# Altium PCB MOTHER_BOARD_LS1021_v1.0.PcbDoc (part 6 of 15)
Units mm, origin at the board's own origin, x right, y up, seen from the top; angles counter-clockwise.
Board outline 285 x 90.6 mm, 10 copper layers (TOP, GND1, SIGNAL1, GND+PWR1, POWER1, POWER2, GND+PWR2, SIGNAL2, GND2, BOTTOM), stack 1.739 mm thick; 1099 components, 832 nets, 4657 pads, 2737 vias.
Unrouted connection lines stored in the file: 7.
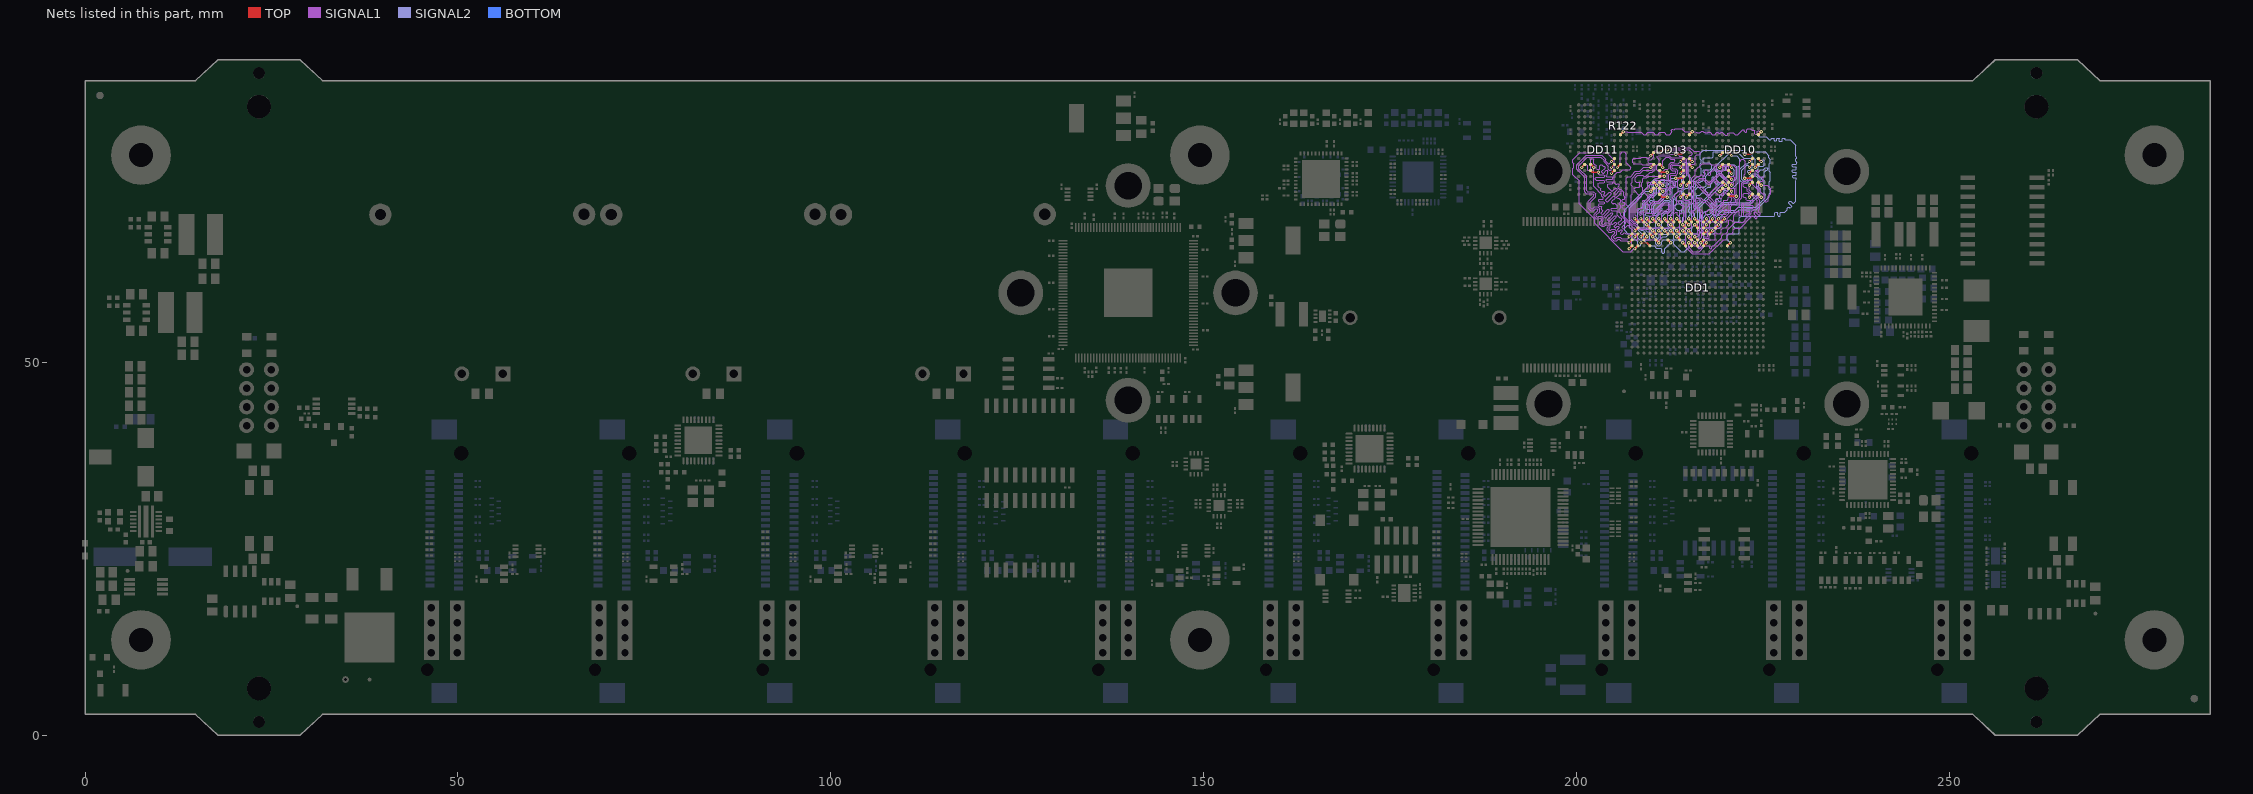
[diagram p14: the nets of this part, all layers, seen from the top]

## Via types
v1: diameter 0.45, hole 0.2, TOP to BOTTOM, tented both sides, 1587 vias
v2: diameter 0.7, hole 0.3, TOP to BOTTOM, tented both sides, 1134 vias
v3: diameter 0.45, hole 0.2, TOP to BOTTOM, tented bottom, 16 vias

## Nets (pads, with @x,y where several pads share a name; then routed paths per layer and width w, separated by ;. In a path a pad name is that pad's centre, name@x,y a point inside that pad or via, vN(x,y) a via of type N, cw(c..) or ccw(c..) an arc to the next point about the centre after c; other vN are vias at no path point) (continued)
DDR_CS: DD1.U19 DD10.L2 DD11.L2 DD13.L2 R122.1 | length 60.8
  TOP w0.196: DD11.L2@205.9,80.55 v1(206.3,80.95) ; DD13.L2@215.15,80.55 v1(215.55,80.95) ; DD1.U19@220.25,65.65 v1(220.65,66.05) ; DD10.L2@224.4,80.55 v1(224.8,80.95)
  SIGNAL1 w0.113: v1(206.3,80.95) 206.307,80.942 206.782,80.942 206.875,80.85 208.71,80.85 208.992,80.568 209.308,80.568 209.589,80.85 210.31,80.85 210.592,80.568 210.908,80.568 211.189,80.85 211.76,80.85 212.042,80.568 212.493,80.568 212.811,80.886 212.811,80.975 212.713,81.073 212.713,81.162 212.846,81.294 212.934,81.294 213.033,81.196 213.121,81.196 213.256,81.331 214.118,81.331 214.5,80.95 v1(215.55,80.95) 215.95,80.95 216.05,80.85 216.15,80.85 216.218,80.781 216.506,80.781 216.575,80.85 216.7,80.85 216.825,80.975 216.95,80.975 217.075,80.85 217.225,80.85 217.293,80.781 217.581,80.781 217.65,80.85 217.96,80.85 218.242,80.568 218.558,80.568 218.839,80.85 218.969,80.85 219.075,80.744 219.3,80.744 219.405,80.85 219.56,80.85 219.935,80.475 220.2,80.475 220.32,80.595 220.32,80.73 220.414,80.825 221,80.825 221.3,80.525 221.6,80.525 222.293,81.218 222.431,81.218 222.525,81.125 222.525,80.975 222.625,80.875 222.75,80.875 222.818,80.943 222.818,81.2 222.993,81.375 223.314,81.375 223.577,81.112 223.863,81.112 223.925,81.05 223.925,80.7 224.025,80.6 224.175,80.6 224.275,80.7 224.275,80.975 224.35,81.05 224.45,81.05 224.55,80.95 v1(224.8,80.95)
  SIGNAL2 w0.113: v1(220.65,66.05) 220.25,66.45 220.25,67.1 220.4,67.25 221.7,67.25 221.85,67.4 221.85,67.9 221.7,68.05 221.25,68.05 221.025,68.275 221.025,68.6 221.275,68.85 221.725,68.85 221.85,68.975 221.85,69.39 222.098,69.638 226.5,69.638 226.625,69.763 226.625,70.05 226.7,70.125 226.9,70.125 227,70.025 227,69.713 227.075,69.638 227.288,69.638 227.35,69.7 227.35,70.075 227.425,70.15 227.95,70.15 228.256,70.456 228.256,70.65 228.41,70.804 228.513,70.804 228.558,70.758 228.594,70.723 228.697,70.723 228.851,70.877 228.851,70.979 228.815,71.015 228.477,71.353 228.477,71.455 228.631,71.609 228.734,71.609 229.02,71.323 229.123,71.323 229.431,71.631 229.431,74.394 229.439,74.401 229.431,74.401 229.504,74.474 229.504,74.692 229.431,74.764 229.048,74.764 228.976,74.837 228.976,75.055 229.048,75.127 229.431,75.127 229.504,75.2 229.504,75.418 229.431,75.49 229.013,75.49 228.94,75.563 228.94,75.781 229.013,75.853 229.431,75.853 229.504,75.926 229.504,76.144 229.431,76.216 229.013,76.216 228.94,76.289 228.94,76.507 229.013,76.579 229.439,76.579 229.512,76.652 229.512,76.87 229.431,76.95 229.431,77.298 229.512,77.378 229.512,77.596 229.431,77.676 229.431,79.143 228.675,79.9 228.01,79.9 227.955,79.954 227.955,80.026 227.901,80.081 227.647,80.081 227.592,80.026 227.592,79.697 227.538,79.642 227.284,79.642 227.229,79.697 227.229,80.026 227.175,80.081 226.921,80.081 226.866,80.026 226.866,79.786 226.812,79.731 226.558,79.731 226.503,79.786 226.503,80.026 226.449,80.081 226.195,80.081 226.14,80.026 226.14,79.954 226.086,79.9 225.85,79.9 225.45,80.3 224.525,80.3 224.4,80.425 224.4,80.55 v1(224.8,80.95)
  BOTTOM w0.196: v1(206.3,80.95) R122.1@206.3,81.425
DDR_DM0: DD1.M23 DD10.E7 | length 19.6
  TOP w0.196: v1(215.85,69.25) DD1.M23@216.25,68.85 ; DD10.E7@220.4,75.75 v1(220.8,75.35)
  SIGNAL2 w0.113: v1(215.85,69.25) 215.85,70 215.675,70.175 215.675,70.313 216.037,70.675 216.037,70.788 215.801,71.024 215.801,71.274 215.901,71.374 216.051,71.374 216.101,71.424 216.349,71.424 216.575,71.65 216.575,71.925 216.475,72.025 216.225,72.025 216.163,72.087 216.163,72.388 216.225,72.45 216.55,72.45 216.837,72.737 217.112,72.737 217.375,72.475 217.449,72.475 217.575,72.601 217.575,72.735 217.368,72.942 217.368,73.268 217.6,73.5 217.95,73.5 218.018,73.568 218.018,73.918 218.2,74.1 218.2,74.825 218.3,74.925 218.425,74.925 218.5,74.85 218.5,74.19 218.765,73.925 218.875,73.925 219,74.05 219,74.21 218.8,74.41 218.8,75.5 218.551,75.749 218.551,75.874 218.627,75.95 218.825,75.95 219.175,75.6 219.175,75.15 219.624,74.701 219.674,74.701 219.825,74.851 219.825,74.925 219.475,75.275 219.475,75.675 219.65,75.85 219.75,75.85 219.85,75.75 219.975,75.75 220.025,75.8 220.025,76.243 220.1,76.318 220.325,76.318 220.418,76.225 220.418,75.581 220.65,75.35 v1(220.8,75.35)
DDR_DM1: DD1.L20 DD10.D3 | length 22.6
  TOP w0.196: v1(215.05,66.85) DD1.L20@215.45,66.45 ; v1(222.55,74.7) 223.35,74.7 DD10.D3@223.6,74.95
  SIGNAL1 w0.113: v1(215.05,66.85) 215.05,66.6 215.468,66.181 215.468,65.892 215.729,65.631 216.008,65.631 216.39,65.25 216.5,65.25 217.05,65.8 217.05,66.487 217.226,66.663 217.738,66.663 217.831,66.756 217.831,67.771 218.129,68.068 218.408,68.068 218.631,68.292 218.631,68.571 218.929,68.868 219.208,68.868 219.431,69.092 219.431,69.371 219.692,69.631 220.081,69.631 220.7,70.25 220.7,70.975 220.906,71.181 221.431,71.181 221.575,71.325 221.575,71.85 221.875,72.15 221.875,76.95 222.15,77.225 222.4,77.225 222.625,77 222.625,75.3 222.495,75.17 222.495,74.755 v1(222.55,74.7)
DDR_DM2: DD1.E23 DD13.E7 | length 19.2
  TOP w0.196: v1(210.25,69.25) DD1.E23@210.65,68.85 ; DD13.E7@211.15,75.75 211.4,75.5 v1(212.2,75.5)
  SIGNAL1 w0.113: v1(210.25,69.25) 210.4,69.1 210.4,68.925 210.306,68.831 209.943,68.831 209.831,68.943 209.831,69.45 210.031,69.65 210.35,69.65 210.45,69.75 210.45,69.875 210.337,69.987 209.487,69.987 209.375,70.1 209.375,70.55 209.625,70.8 209.625,71.175 209.475,71.325 209.475,71.55 209.763,71.838 209.763,72.438 209.85,72.525 210,72.525 210.075,72.45 210.075,72.225 210.125,72.175 210.3,72.175 210.345,72.22 210.345,72.67 210.425,72.75 211.05,72.75 211.15,72.85 211.15,73.15 210.968,73.331 209.943,73.331 209.85,73.425 209.85,73.775 209.95,73.875 210.335,73.875 210.922,74.462 211.262,74.462 211.368,74.568 211.756,74.568 211.85,74.475 211.85,74.3 211.681,74.131 211.356,74.131 211.15,73.925 211.15,73.55 211.35,73.35 212.025,73.35 212.156,73.481 212.156,75.456 v1(212.2,75.5)
DDR_DM3: DD1.E21 DD13.D3 | length 15.9
  TOP w0.196: v1(210.25,67.65) DD1.E21@210.65,67.25 ; v1(213.3,74.7) 214.1,74.7 DD13.D3@214.35,74.95
  SIGNAL2 w0.113: v1(210.25,67.65) 209.831,67.231 209.831,66.631 209.668,66.468 209.292,66.468 209.031,66.729 209.031,67.008 208.25,67.79 208.25,70.334 208.881,70.965 208.881,71.333 210.35,72.801 210.35,73.15 210.15,73.35 210.15,73.991 210.609,74.45 212.5,74.45 212.75,74.7 v1(213.3,74.7)
DDR_DM8: DD1.B21 DD11.E7 | length 26.4
  TOP w0.196: DD11.E7@201.9,75.75 202.15,75.5 v1(202.95,75.5) ; v1(207.85,66.85) DD1.B21@208.25,67.25
  SIGNAL1 w0.113: v1(202.95,75.5) 202.95,75.274 203.041,75.183 203.679,75.183 203.77,75.093 203.77,74.911 203.679,74.82 202.634,74.82 202.543,74.73 202.543,74.548 202.634,74.457 203.679,74.457 203.77,74.367 203.77,74.185 203.679,74.094 203.041,74.094 202.95,74.004 202.95,73.55 203.229,73.271 203.229,73.143 203.229,73.014 203.358,72.886 203.486,72.886 203.55,72.95 203.66,72.95 203.807,72.804 203.807,72.693 203.634,72.521 203.634,72.393 203.763,72.264 203.891,72.264 204.422,72.795 204.55,72.795 204.679,72.667 204.679,72.539 203.928,71.788 203.928,71.66 204.056,71.531 204.185,71.531 204.935,72.282 205.064,72.282 205.192,72.154 205.192,72.025 204.833,71.667 204.739,71.573 204.739,71.444 204.868,71.316 204.996,71.316 205.026,71.346 205.154,71.346 205.475,71.025 205.475,70.773 205.384,70.682 204.753,70.682 204.663,70.592 204.663,70.41 204.753,70.319 205.384,70.319 205.475,70.229 205.475,69.775 205.826,69.424 205.931,69.424 206.082,69.273 206.082,69.168 205.631,68.716 205.631,68.588 205.759,68.459 205.888,68.459 206.339,68.911 206.445,68.911 206.596,68.76 206.596,68.654 206.144,68.203 206.144,68.074 206.273,67.946 206.401,67.946 206.852,68.398 206.958,68.398 207.109,68.246 207.109,68.141 207.468,67.781 207.468,67.492 207.692,67.268 208.081,67.268 208.25,67.1 208.25,66.5 208.2,66.45 207.925,66.45 207.85,66.525 v1(207.85,66.85)
DDR_DQ0: DD1.K23 DD10.E3 | length 19.6
  TOP w0.196: DD1.K23@214.65,68.85 v1(215.05,68.45) ; v1(223.2,75.35) DD10.E3@223.6,75.75
  SIGNAL2 w0.113: v1(215.05,68.45) 215.45,68.85 215.45,71.224 215.95,71.724 215.95,73.15 216.3,73.5 217.15,73.5 217.381,73.731 217.381,74.058 217.325,74.115 217.325,74.949 218.781,76.405 ; 218.781,76.406 220.525,78.15 221.675,78.15 222.45,77.375 223.425,77.375 223.6,77.2 223.6,76.01 223.339,75.75 223.05,75.75 222.95,75.65 222.95,75.5 223.1,75.35 v1(223.2,75.35)
DDR_DQ1: DD1.M22 DD10.F7 | length 19.6
  TOP w0.196: v1(215.85,68.45) DD1.M22@216.25,68.05 ; DD10.F7@220.4,76.55 v1(220.8,76.15)
  SIGNAL2 w0.113: v1(215.85,68.45) 215.45,68.05 215.45,67.45 215.65,67.25 216.2,67.25 216.462,66.988 216.462,66.512 216.25,66.3 216.25,65.55 216.425,65.375 216.925,65.375 217.068,65.518 217.068,66.956 216.25,67.775 216.25,70.975 220.243,74.968 220.964,74.968 220.971,74.975 220.975,74.975 221.181,75.181 221.181,75.768 v1(220.8,76.15)
DDR_DQ2: DD1.R23 DD10.F2 | length 19.6
  TOP w0.196: DD1.R23@218.65,68.85 v1(219.05,69.25) ; v1(224,76.15) DD10.F2@224.4,76.55
  SIGNAL2 w0.113: v1(219.05,69.25) 219.925,70.125 221.475,70.125 221.85,70.5 224.1,70.5 225.825,72.225 225.825,72.635 225.981,72.792 225.981,73.108 225.868,73.221 225.868,74.235 225.981,74.348 225.981,75.508 225.868,75.621 225.868,76.635 225.981,76.748 225.981,77.218 225.775,77.425 225.775,77.75 225.3,78.225 223.725,78.225 223.55,78.05 223.55,77.625 224,77.175 v1(224,76.15)
DDR_DQ3: DD1.T23 DD10.F8 | length 19.6
  TOP w0.196: v1(219.2,76.15) DD10.F8@219.6,76.55 ; DD1.T23@219.45,68.85 v1(219.85,69.25)
  SIGNAL2 w0.113: v1(219.2,76.15) 219.2,76.275 219.456,76.531 221.168,76.531 221.475,76.225 221.475,74.685 220.921,74.131 219.831,74.131 216.525,70.825 216.525,68.035 217.292,67.268 218.408,67.268 218.631,67.492 218.631,67.771 218.892,68.031 219.171,68.031 219.431,68.292 219.431,68.831 v1(219.85,69.25)
DDR_DQ4: DD1.K22 DD10.H3 | length 19.6
  TOP w0.196: v1(214.25,68.45) DD1.K22@214.65,68.05 ; v1(222.55,77.9) 223.35,77.9 DD10.H3@223.6,78.15
  SIGNAL2 w0.113: v1(214.25,68.45) 214.25,69.45 214.425,69.625 214.425,70.35 214.35,70.425 214.35,73.09 214.629,73.368 214.908,73.368 215.131,73.592 215.131,73.871 216.192,74.931 216.471,74.931 216.731,75.192 216.731,76.029 216.618,76.142 216.618,76.662 216.731,76.775 216.731,77.108 216.618,77.221 216.618,78.058 217.035,78.475 222.5,78.475 222.575,78.4 222.575,77.875 v1(222.55,77.9)
DDR_DQ5: DD1.L23 DD10.H8 | length 19.6
  TOP w0.196: v1(215.05,69.25) DD1.L23@215.45,68.85 ; v1(219.2,77.75) DD10.H8@219.6,78.15
  SIGNAL2 w0.113: v1(215.05,69.25) 215.05,69.625 215.237,69.812 215.237,70.025 215.05,70.212 215.05,70.45 215.225,70.625 215.225,70.8 215.05,70.975 215.05,71.125 215.275,71.35 215.275,71.475 215.225,71.525 215.075,71.525 215.025,71.575 215.025,71.825 215.1,71.9 215.525,71.9 215.625,72 215.625,72.3 215.55,72.375 215.1,72.375 215.075,72.4 215.075,72.7 215.15,72.775 215.5,72.775 215.625,72.9 215.625,73.05 215.425,73.25 215.4,73.25 215.344,73.305 215.344,73.55 215.394,73.6 215.55,73.6 215.657,73.493 215.832,73.493 215.982,73.643 215.982,73.818 215.75,74.05 215.75,74.188 215.887,74.325 216.035,74.325 216.192,74.168 216.616,74.168 216.729,74.281 216.881,74.281 217.037,74.437 217.037,74.962 217.3,75.225 217.3,75.375 217.225,75.45 217.05,75.45 216.975,75.525 216.975,75.775 217.075,75.875 217.95,75.875 218.131,76.056 218.131,76.458 217.84,76.75 217.125,76.75 217,76.875 217,77.325 217.125,77.45 218.225,77.45 218.35,77.575 218.35,78.2 218.412,78.262 219.388,78.262 219.525,78.125 219.525,77.85 219.425,77.75 v1(219.2,77.75)
DDR_DQ6: DD1.P23 DD10.G2 | length 19.6
  TOP w0.196: DD1.P23@217.85,68.85 v1(218.25,69.25) ; DD10.G2@224.4,77.35 v1(224.8,76.95)
  SIGNAL2 w0.113: v1(218.25,69.25) 218.25,68.925 218.325,68.85 218.6,68.85 218.668,68.918 218.668,69.468 219.6,70.4 221.275,70.4 221.675,70.8 224.025,70.8 225.325,72.1 225.325,72.5 225.2,72.625 225.2,74.35 225.075,74.475 224.95,74.475 224.875,74.55 224.875,74.8 224.975,74.9 225.1,74.9 225.2,75 225.2,75.5 225.45,75.75 225.55,75.75 225.655,75.855 225.655,76.069 225.6,76.125 225.35,76.125 225.05,75.825 224.735,75.825 224.41,75.5 224.25,75.5 224.15,75.6 224.15,75.75 224.4,76 224.4,76.25 224.475,76.325 225.05,76.325 225.2,76.475 225.2,77.05 225.05,77.2 224.95,77.2 224.8,77.05 v1(224.8,76.95)
DDR_DQ7: DD1.R22 DD10.H7 | length 24.3
  TOP w0.196: DD1.R22@218.65,68.05 v1(219.05,68.45) ; DD10.H7@220.4,78.15 v1(220.8,77.75)
  SIGNAL2 w0.113: 218.637,71.541 218.818,71.36 ; v1(219.05,68.45) 218.8,68.45 218.4,68.05 217.1,68.05 216.788,68.361 216.788,69.838 217.243,70.293 217.568,70.293 217.734,70.459 ; 220.304,73.029 220.625,73.35 220.939,73.35 221.7,74.11 221.7,76.275 221.9,76.475 221.9,77.274 221.475,77.75 v1(220.8,77.75) ; 217.734,70.459 cw(c217.851,70.342) 217.967,70.459 ; 217.734,70.459 cw(c217.851,70.342) 217.967,70.459 ; 217.942,70.484 ccw(c218.059,70.601) 217.943,70.483 ; 217.942,70.484 ccw(c218.059,70.601) 217.943,70.483 ; 217.942,70.484 217.943,70.483 ; 217.943,70.483 ccw(c218.059,70.601) 218.176,70.484 ; 217.943,70.483 ccw(c218.059,70.601) 218.176,70.484 ; 217.943,70.483 217.967,70.459 ; 218.013,70.997 cw(c218.13,71.114) 218.013,71.231 ; 218.013,70.997 cw(c218.13,71.114) 218.013,71.231 ; 218.013,70.997 218.143,70.868 218.234,70.776 ; 218.013,71.231 218.072,71.289 ; 218.072,71.289 cw(c218.188,71.172) 218.305,71.289 ; 218.072,71.289 cw(c218.188,71.172) 218.305,71.289 ; 218.176,70.484 218.234,70.542 ; 218.234,70.542 ccw(c218.118,70.659) 218.234,70.776 ; 218.234,70.542 ccw(c218.118,70.659) 218.234,70.776 ; 218.305,71.289 218.526,71.068 ; 218.527,71.068 ccw(c218.643,71.185) 218.76,71.068 ; 218.527,71.068 ccw(c218.643,71.185) 218.76,71.068 ; 218.637,71.775 ccw(c218.754,71.658) 218.637,71.541 cw(c218.754,71.658) 218.637,71.775 ; 218.637,71.775 218.696,71.833 ; 218.696,71.833 cw(c218.812,71.717) 218.929,71.833 ; 218.696,71.833 cw(c218.812,71.717) 218.929,71.833 ; 218.76,71.068 218.818,71.126 ; 218.818,71.126 ccw(c218.702,71.243) 218.819,71.36 ; 218.818,71.126 ccw(c218.702,71.243) 218.819,71.36 ; 218.929,71.833 219.019,71.744 219.11,71.652 ; 219.111,71.652 ccw(c219.227,71.769) 219.344,71.652 ; 219.111,71.652 ccw(c219.227,71.769) 219.344,71.652 ; 219.181,72.165 cw(c219.298,72.282) 219.181,72.399 ; 219.181,72.165 cw(c219.298,72.282) 219.181,72.399 ; 219.181,72.165 219.311,72.036 219.403,71.944 ; 219.181,72.399 219.24,72.457 ; 219.24,72.457 cw(c219.357,72.341) 219.473,72.457 ; 219.24,72.457 cw(c219.357,72.341) 219.473,72.457 ; 219.344,71.652 219.403,71.711 ; 219.403,71.711 ccw(c219.286,71.827) 219.403,71.944 ; 219.403,71.711 ccw(c219.286,71.827) 219.403,71.944 ; 219.473,72.457 219.486,72.445 ; 219.486,72.445 ccw(c219.603,72.561) 219.72,72.445 ; 219.486,72.445 ccw(c219.603,72.561) 219.72,72.445 ; 219.72,72.445 219.778,72.503 ; 219.765,72.749 cw(c219.882,72.866) 219.765,72.983 ; 219.765,72.749 cw(c219.882,72.866) 219.765,72.983 ; 219.765,72.749 219.778,72.737 ; 219.765,72.983 219.824,73.041 ; 219.778,72.503 ccw(c219.661,72.62) 219.778,72.737 ; 219.778,72.503 ccw(c219.661,72.62) 219.778,72.737 ; 219.824,73.042 cw(c219.941,72.925) 220.057,73.041 ; 219.824,73.042 cw(c219.941,72.925) 220.057,73.041 ; 220.057,73.041 220.07,73.029 ; 220.07,73.029 ccw(c220.187,73.146) 220.304,73.029 cw(c220.187,73.146) 220.07,73.029
DDR_DQ8: DD1.K21 DD10.D7 | length 23.7
  TOP w0.196: v1(214.25,67.65) DD1.K21@214.65,67.25 ; DD10.D7@220.4,74.95 v1(220.8,74.55)
  SIGNAL1 w0.113: v1(214.25,67.65) 214.51,67.65 214.892,68.031 215.306,68.031 215.45,68.175 215.45,69.475 215.75,69.775 215.75,69.916 ; v1(220.8,74.55) 220.875,74.475 221.175,74.475 221.248,74.548 221.248,74.776 221.056,74.968 220.506,74.968 220.418,75.056 220.418,76.25 220.35,76.318 220.168,76.318 220.125,76.275 220.125,75.8 220.075,75.75 219.925,75.75 219.85,75.825 219.85,76.268 219.8,76.318 219.643,76.318 219.6,76.275 219.6,75.7 219.5,75.6 219.375,75.6 219.206,75.768 219.125,75.768 218.956,75.6 218.875,75.6 218.8,75.675 218.8,76.25 218.731,76.318 218.543,76.318 218.5,76.275 218.5,75.806 218.425,75.731 218.242,75.731 218,75.49 218,75.2 217.9,75.1 217.725,75.1 217.65,75.175 217.65,75.775 217.55,75.875 217.35,75.875 217.175,75.7 217.175,75.05 217.1,74.975 216.975,74.975 216.9,75.05 216.9,75.125 216.85,75.175 216.714,75.175 216.508,74.968 216.229,74.968 215.75,74.49 215.75,70.682 ; 215.329,70.197 ccw(c215.469,70.197) 215.469,70.056 ; 215.329,70.197 ccw(c215.469,70.197) 215.469,70.056 ; 215.329,70.197 215.329,70.229 ; 215.329,70.229 cw(c215.469,70.229) 215.469,70.369 ; 215.329,70.229 cw(c215.469,70.229) 215.469,70.369 ; 215.469,70.056 215.609,70.056 ; 215.469,70.369 215.75,70.369 ; 215.609,70.056 cw(c215.609,69.916) 215.75,69.916 ; 215.609,70.056 cw(c215.609,69.916) 215.75,69.916 ; 215.75,70.369 ccw(c215.75,70.51) 215.891,70.51 ; 215.75,70.369 ccw(c215.75,70.51) 215.891,70.51 ; 215.75,70.682 cw(c215.75,70.542) 215.891,70.542 ; 215.75,70.682 cw(c215.75,70.542) 215.891,70.542 ; 215.891,70.51 215.891,70.542
DDR_DQ9: DD1.L21 DD10.C3 | length 24.4
  TOP w0.196: v1(215.05,67.65) DD1.L21@215.45,67.25 ; v1(223.2,73.75) DD10.C3@223.6,74.15
  SIGNAL1 w0.113: v1(215.05,67.65) 214.668,67.268 214.668,65.431 215.55,64.55 217.81,64.55 219.729,66.468 220.008,66.468 220.231,66.692 220.231,66.971 220.529,67.268 220.808,67.268 221.05,67.51 221.05,67.79 221.292,68.031 221.981,68.031 223.526,69.576 ; v1(223.2,73.75) 223.2,73.1 224.575,71.725 224.575,70.625 224.389,70.439 ; 223.526,69.576 cw(c223.625,69.476) 223.725,69.576 ; 223.526,69.576 cw(c223.625,69.476) 223.725,69.576 ; 223.725,69.576 223.963,69.338 ; 223.847,69.897 cw(c223.946,69.996) 223.847,70.096 ; 223.847,69.897 cw(c223.946,69.996) 223.847,70.096 ; 223.847,69.897 224.184,69.559 ; 223.847,70.096 223.869,70.118 ; 223.869,70.118 cw(c223.969,70.019) 224.068,70.118 ; 223.869,70.118 cw(c223.969,70.019) 224.068,70.118 ; 223.963,69.338 ccw(c224.062,69.438) 224.162,69.338 ; 223.963,69.338 ccw(c224.062,69.438) 224.162,69.338 ; 224.068,70.118 224.405,69.781 ; 224.162,69.338 224.184,69.36 ; 224.184,69.36 ccw(c224.084,69.46) 224.184,69.559 ; 224.184,69.36 ccw(c224.084,69.46) 224.184,69.559 ; 224.389,70.24 cw(c224.489,70.339) 224.389,70.439 ; 224.389,70.24 cw(c224.489,70.339) 224.389,70.439 ; 224.389,70.24 224.627,70.002 ; 224.405,69.781 ccw(c224.505,69.88) 224.605,69.781 ; 224.405,69.781 ccw(c224.505,69.88) 224.605,69.781 ; 224.605,69.781 224.627,69.803 ; 224.627,69.803 ccw(c224.527,69.902) 224.627,70.002 ; 224.627,69.803 ccw(c224.527,69.902) 224.627,70.002
DDR_DQ10: DD1.N21 DD10.C8 | length 22.6
  TOP w0.196: DD1.N21@217.05,67.25 v1(217.45,67.65) ; DD10.C8@219.6,74.15 v1(220,73.75)
  SIGNAL1 w0.113: v1(217.45,67.65) 217.6,67.5 217.6,66.951 217.525,66.876 217.124,66.876 217.025,66.975 217.025,68 217.075,68.05 217.775,68.05 217.868,68.143 217.868,68.608 218.129,68.868 218.568,68.868 218.668,68.968 218.668,69.371 218.425,69.615 218.425,69.725 218.5,69.8 218.668,69.968 218.668,70.218 219.337,70.887 219.513,70.887 219.775,71.149 219.775,71.725 219.818,71.768 220.193,71.768 220.381,71.956 220.381,72.156 220.425,72.2 220.6,72.2 220.8,72 220.8,71.775 218.975,69.95 218.975,69.8 219.025,69.75 219.174,69.75 219.324,69.9 220.025,69.9 220.075,69.95 220.075,70.05 219.85,70.275 219.85,70.35 220.025,70.525 220.1,70.525 220.325,70.3 220.425,70.3 220.487,70.362 220.487,71.063 220.818,71.394 221.219,71.394 221.35,71.525 221.35,71.825 220.87,72.305 ; v1(220,73.75) 219.7,73.75 219.475,73.525 219.475,73.275 219.6,73.15 219.8,73.15 219.987,73.337 220.162,73.337 220.272,73.228 220.272,73.053 220.05,72.831 220.05,72.675 220.15,72.575 220.275,72.575 220.375,72.675 220.501,72.675 220.87,72.306
DDR_DQ11: DD1.P21 DD10.C2 | length 22.6
  TOP w0.196: DD1.P21@217.85,67.25 v1(218.25,67.65) ; DD10.C2@224.4,74.15 v1(224.8,73.75)
  SIGNAL1 w0.113: v1(218.25,67.65) 218.5,67.65 218.918,68.068 219.208,68.068 219.431,68.292 219.431,68.571 219.729,68.868 220.008,68.868 220.231,69.092 220.231,69.367 221.9,71.035 221.9,71.813 222.018,71.932 ; 222.018,71.933 222.15,72.065 222.15,74.025 222.443,74.318 222.708,74.318 222.839,74.45 223.55,74.45 223.6,74.5 223.6,74.9 223.675,74.975 223.875,74.975 223.95,75.05 223.95,75.675 224.025,75.75 224.275,75.75 224.35,75.675 224.35,75.2 224.45,75.1 224.45,74.95 224.525,74.875 224.925,74.875 225.05,74.75 225.05,74.45 224.925,74.325 224.375,74.325 224.175,74.125 224.175,73.7 224.675,73.2 224.675,72.925 225.181,72.418 225.181,71.668 225.325,71.525 225.525,71.525 225.7,71.7 225.7,72.3 226.025,72.625 226.025,73.3 225.575,73.75 v1(224.8,73.75)
DDR_DQ12: DD1.K19 DD10.A7 | length 22.5
  TOP w0.196: v1(214.25,66.05) DD1.K19@214.65,65.65 ; DD10.A7@220.4,72.55 220.65,72.3 v1(221.45,72.3)
  SIGNAL1 w0.113: v1(214.25,66.05) 213.85,66.45 213.85,67.775 213.868,67.793 213.868,67.808 214.129,68.068 214.408,68.068 214.631,68.292 214.631,70.631 215.438,71.438 215.438,74.698 215.931,75.192 215.931,75.771 216.842,76.681 217.908,76.681 218.058,76.531 220.958,76.531 221.461,76.028 221.461,72.311 v1(221.45,72.3)
DDR_DQ13: DD1.L19 DD10.A2 | length 22.6
  TOP w0.196: v1(215.05,66.05) DD1.L19@215.45,65.65 ; DD10.A2@224.4,72.55 v1@224.784,72.166 ; v1@224.784,72.166 v1(224.8,72.166) v1@224.784,72.166
  SIGNAL1 w0.113: v1(215.05,66.05) 215.05,65.425 215.606,64.868 216.443,64.868 217.225,65.65 217.75,65.65 217.85,65.55 217.85,65.325 217.925,65.25 218.1,65.25 218.175,65.325 218.175,65.55 218.275,65.65 218.4,65.65 219.468,66.718 219.468,67.008 219.729,67.268 220.008,67.268 220.268,67.529 220.268,67.808 221.292,68.831 222.371,68.831 222.631,69.092 222.631,69.181 223.463,70.013 223.463,70.188 223.837,70.562 224.012,70.562 224.25,70.8 224.25,71.676 223.013,72.913 ; 223.012,72.913 222.931,72.993 222.931,73.258 222.708,73.481 222.493,73.481 222.375,73.6 222.375,73.9 222.5,74.025 222.935,74.025 223.042,74.131 223.358,74.131 224.381,73.108 224.381,72.243 224.475,72.15 224.491,72.166 v1(224.8,72.166)